# Altium PCB PexCardVer0.1.PcbDoc (part 1 of 3)
Units mil, origin at the board's own origin, x right, y up, seen from the top; angles counter-clockwise.
Board outline 5943.76 x 1774.48 mil, 4 copper layers (Top Layer, Layer 1, Layer 2, Bottom Layer), stack 62.337 mil thick; 70 components, 137 nets, 677 pads, 468 vias.
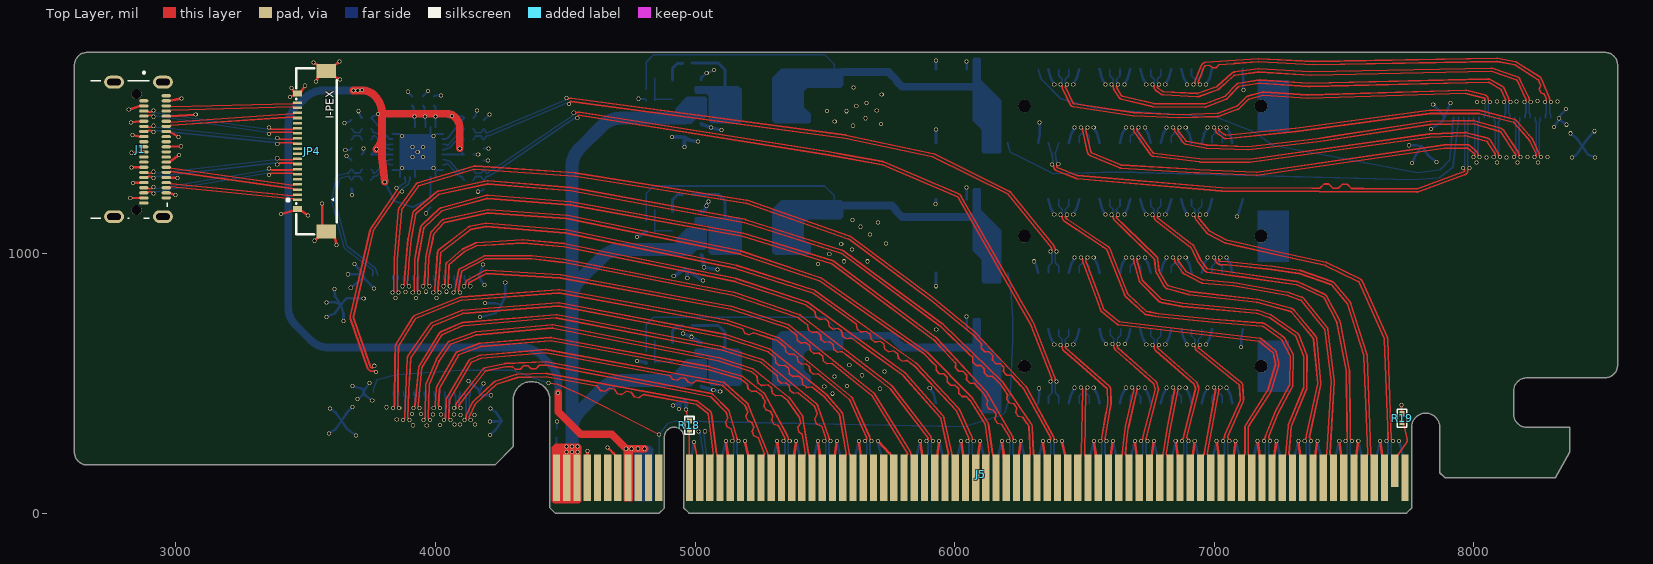
[diagram p0: Top Layer view]
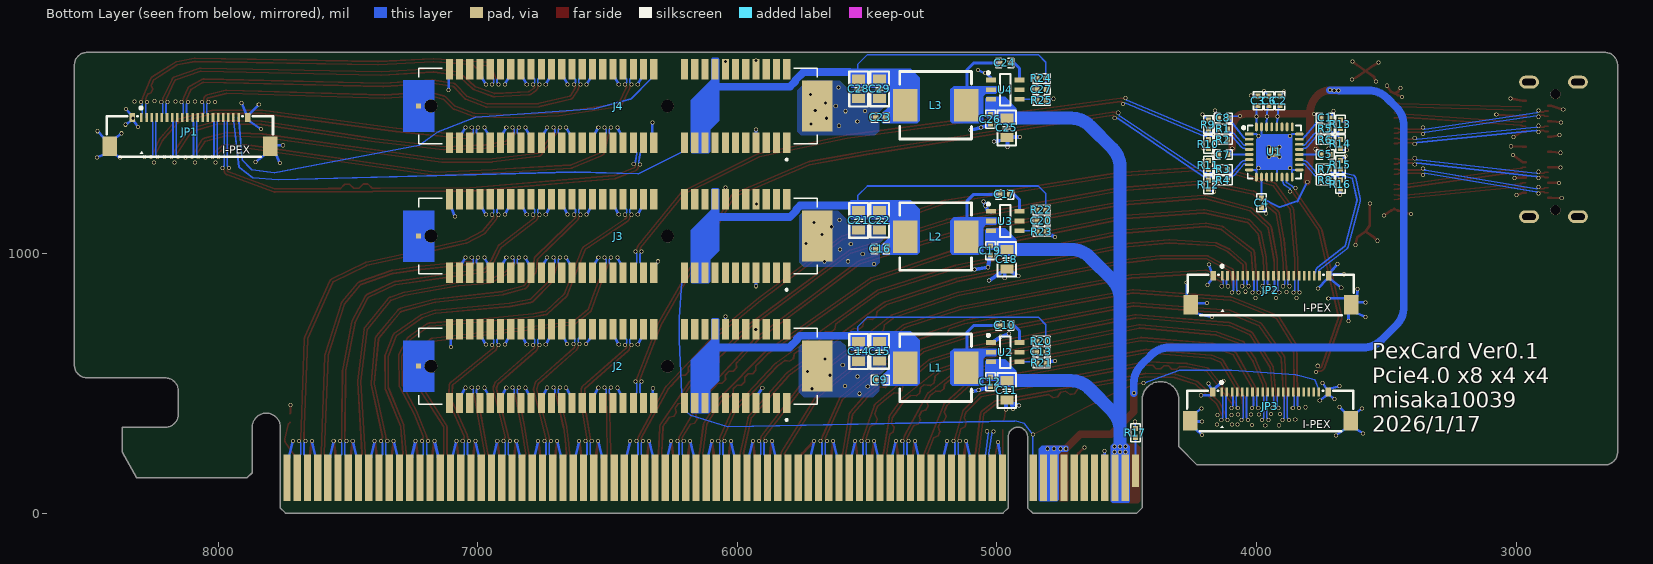
[diagram p1: Bottom Layer view, seen from below]
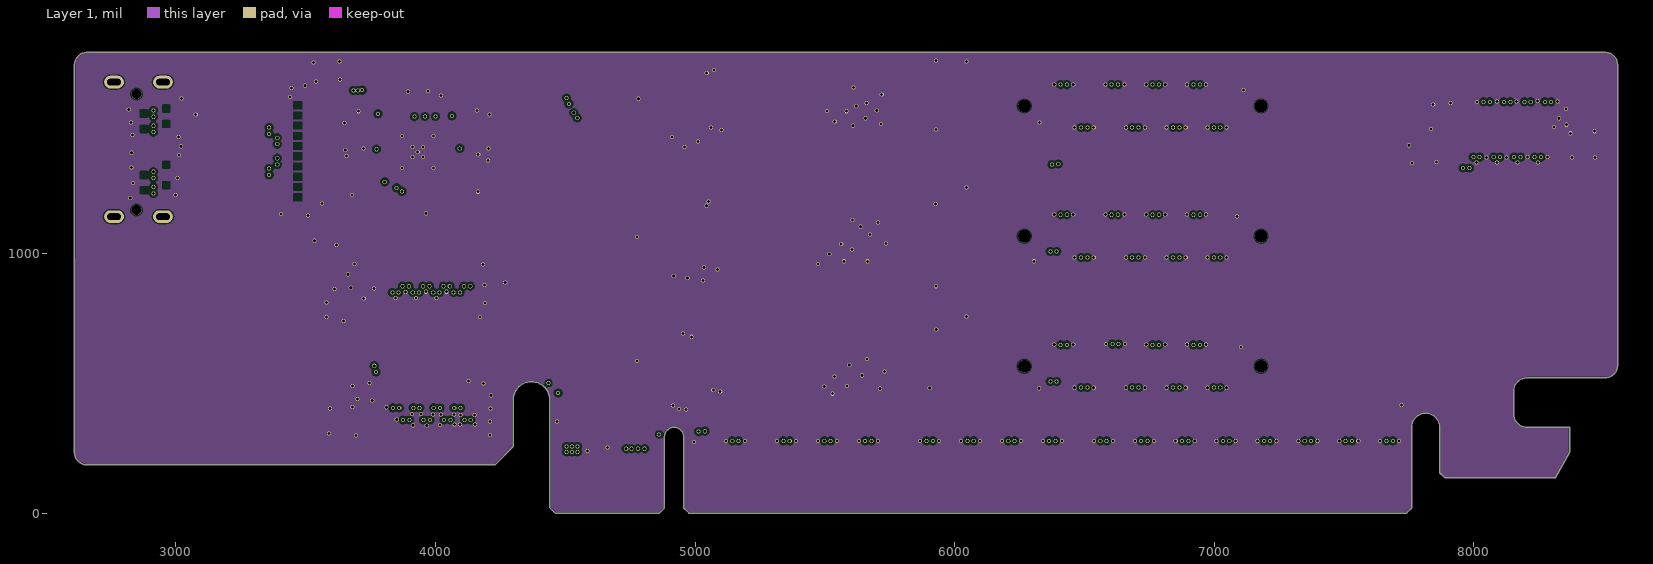
[diagram p2: Layer 1]
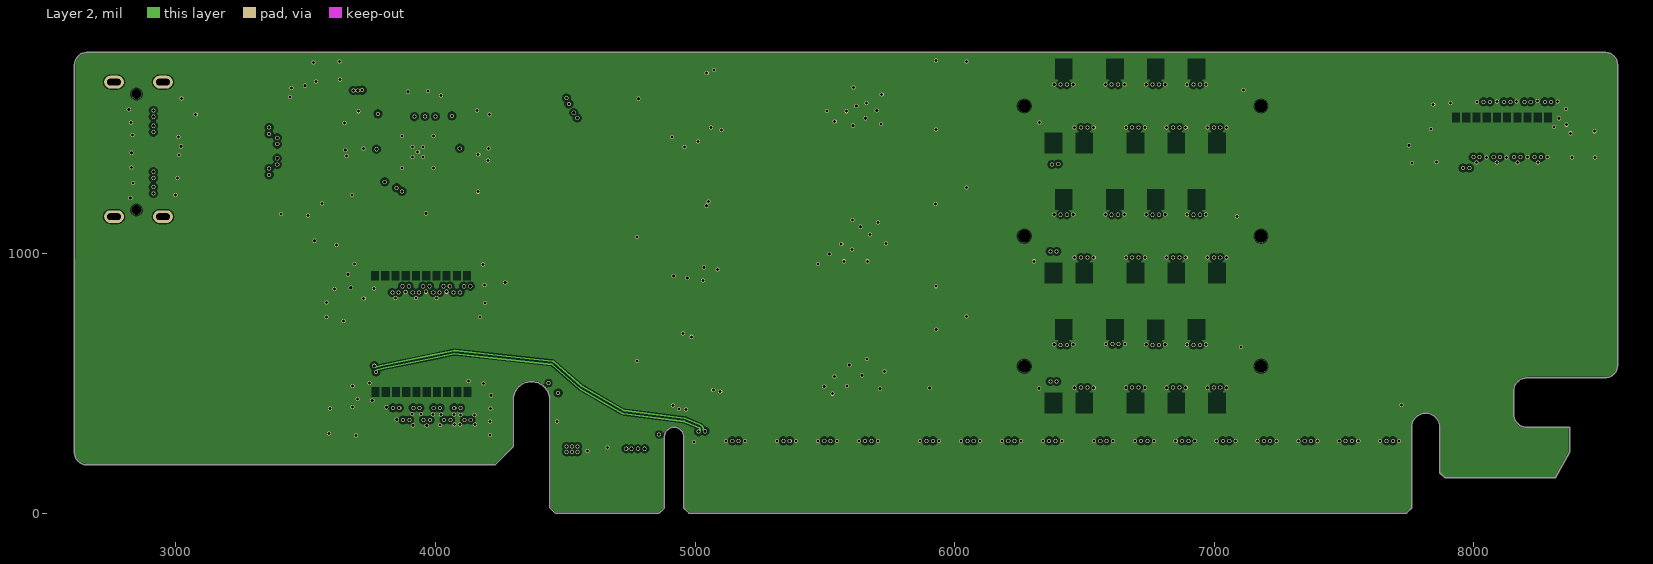
[diagram p3: Layer 2]
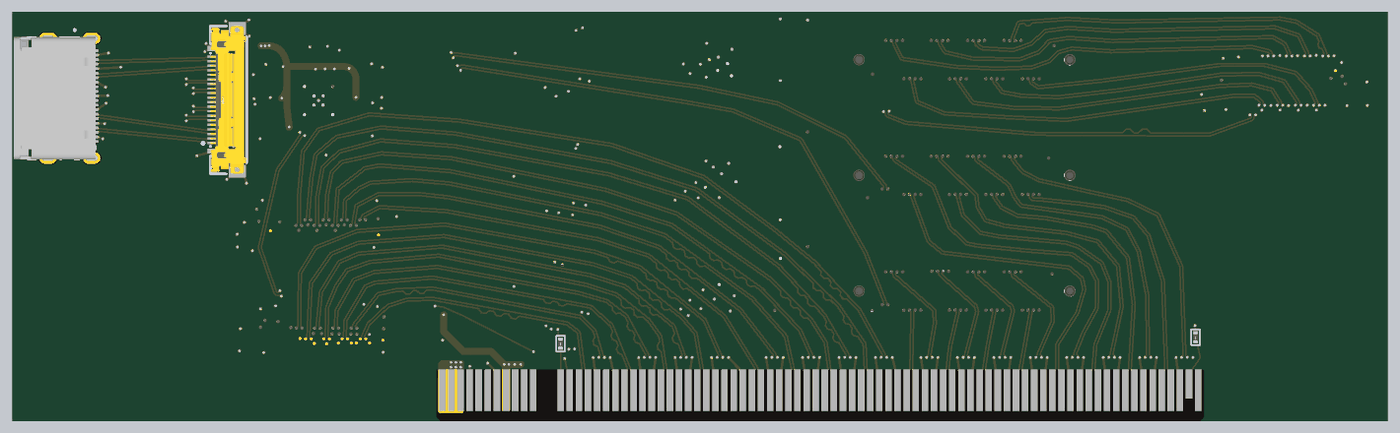
[diagram p6: 3D render of the assembled board from above, using the file's embedded part models]
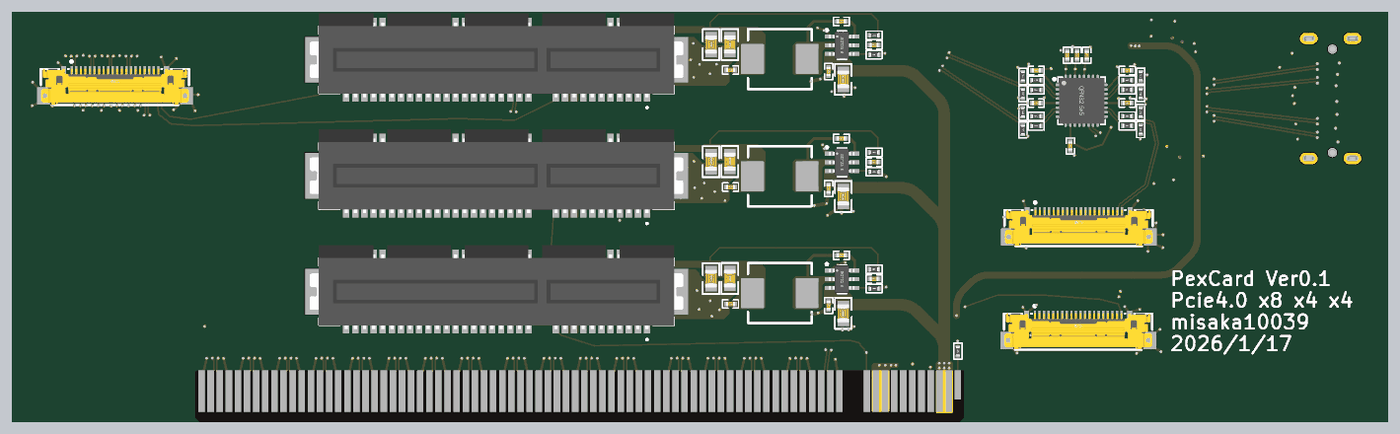
[diagram p7: 3D render of the assembled board from below, using the file's embedded part models]

## Layer stack, top to bottom
Top Solder: solder mask 0.4, Solder Resist, Dk 3.5
Top Layer: signal copper 1.4
Dielectric 2: prepreg 2.8, PP-006, Dk 4.1
Layer 1: signal copper 1.378
Dielectric 1: dielectric 51.1811, FR-4, Dk 4.8
Layer 2: signal copper 1.378
Dielectric 3: prepreg 2.8, PP-006, Dk 4.1
Bottom Layer: signal copper 1.4
Bottom Solder: solder mask 0.4, Solder Resist, Dk 3.5

## Board outline
4441.06,19.93 4460.75,0.25 4862.32,0.25 4882.01,19.93 4882.01,293.56 cw(c4919.41,293.56) 4956.81,293.56 4956.81,19.93 4976.5,0.25 7740.28,0.25 7759.96,19.93 7759.96,330.96 cw(c7814.1,330.99) 7868.23,330.99 7868.34,155.97 7888.34,135.97 8313.34,135.97 8368.34,235.97 8368.34,330.97 8203.34,330.97 cw(c8203.34,380.97) 8153.34,380.97 8153.34,470.97 cw(c8203.34,470.97) 8203.34,520.97 8503.34,520.97 ccw(c8503.34,570.97) 8553.34,570.97 8553.34,1724.73 ccw(c8503.34,1724.73) 8503.34,1774.73 2659.91,1774.73 ccw(c2659.91,1724.73) 2609.91,1724.73 2609.57,235.73 ccw(c2659.57,235.73) 2659.57,185.73 4229.58,185.73 4299.29,255.45 4299.29,434.74 cw(c4370.18,435.69) 4441.07,435.44 4441.06,330.96

## Design rules (kind name [scope] priority, off if disabled: settings)
BoardOutlineClearance [All] p1: gap=4 ignorepadtopadclearanceinfootprint=FALSE
Clearance [All] p1: gap=4 ignorepadtopadclearanceinfootprint=FALSE except(0: Arc-Text Arc-Hole Track-Text Track-Hole SMDPad-Text SMDPad-Hole THPad-Text THPad-Hole Via-Text Via-Hole Fill-Text Fill-Hole Poly-Text Poly-Hole Region-Text Region-Hole Text-Text Text-Hole; 8.66: Via-Via; 9.06: Via-Fill Via-Poly Via-Region)
ComponentClearance [All] p1: gap=0 collisioncheckmode=3 verticalgap=0 showdistances=FALSE
DiffPairsRouting "Schematic Differential Pairs Routing_2" [InNetClass('PCIE Gen4')] p1: maxlimit=6 minlimit=6 mostfreqgap=6 toplayer_minwidth=6.38 toplayer_maxwidth=6.38 toplayer_prefwidth=6.38 midlayer1_minwidth=6.38 midlayer1_maxwidth=6.38 midlayer1_prefwidth=6.38 midlayer2_minwidth=6.38 midlayer2_maxwidth=6.38 midlayer2_prefwidth=6.38 bottomlayer_minwidth=6.38 bottomlayer_maxwidth=6.38 bottomlayer_prefwidth=6.38 maxuncoupledlength=500
DiffPairsRouting [All] p2: maxlimit=10 minlimit=10 mostfreqgap=10 toplayer_minwidth=15 toplayer_maxwidth=15 toplayer_prefwidth=15 midlayer1_minwidth=15 midlayer1_maxwidth=15 midlayer1_prefwidth=15 midlayer2_minwidth=15 midlayer2_maxwidth=15 midlayer2_prefwidth=15 bottomlayer_minwidth=15 bottomlayer_maxwidth=15 bottomlayer_prefwidth=15 maxuncoupledlength=500
MinimumSolderMaskSliver [All] p1: minsoldermaskwidth=0
NetAntennae [All] p1 off: netantennaetolerance=3.94
PlaneClearance [All] p1: clearance=8
PlaneConnect [All] p1: planeconnectstyle=Direct reliefexpansion=20 reliefentries=4 reliefconductorwidth=10 reliefairgap=10
PolygonConnect [All] p1: connectstyle=Direct reliefconductorwidth=10 reliefentries=4 polygonreliefangle="90 Angle" airgapwidth=10
RoutingVias [All] p1: holewidth=11.81 width=15.75 viastyle="Through Hole" minholewidth=11.81 minwidth=15.75 maxholewidth=19.68 maxwidth=23.62
SilkToSolderMaskClearance [IsPad] p1: minsilkscreentomaskgap=0 clearancetoexposedcopper=TRUE
SolderMaskExpansion 过孔盖油 [isvia] p1: expansion=4 istentingtop=TRUE
Width [All] p1: maxlimit=100 minlimit=2 preferedwidth=10
23 further rules are at their usual default settings.

## Classes and differential pairs
net class "PCIE Gen4": GND NetJ5_B12 NVME_REFCLK_N NVME_REFCLK_P NVME_RX0_N NVME_RX0_P NVME_RX1_N NVME_RX1_P NVME_RX2_N NVME_RX2_P NVME_RX3_N NVME_RX3_P NVME_TX0_N NVME_TX0_P NVME_TX1_N NVME_TX1_P NVME_TX2_N NVME_TX2_P NVME_TX3_N NVME_TX3_P PER0_N PER0_P PER1_N PER1_P PER2_N PER2_P PER3_N PER3_P PET0_N PET0_P PET1_N PET1_P PET2_N PET2_P PET3_N PET3_P REFCLK_1_cap_N REFCLK_1_cap_P REFCLK_1_N REFCLK_1_P REFCLK_2_cap_N REFCLK_2_cap_P REFCLK_2_N REFCLK_2_P REFCLK_3_cap_N REFCLK_3_cap_P REFCLK_3_N REFCLK_3_P REFCLK_4_cap_N REFCLK_4_cap_P REFCLK_4_N REFCLK_4_P REFCLK_N REFCLK_P RX0_N RX0_P RX1_N RX1_P RX2_N RX2_P RX3_N RX3_P RX4_N RX4_P RX5_N RX5_P RX6_N RX6_P RX7_N RX7_P RX8_N RX8_P RX9_N RX9_P RX10_N RX10_P RX11_N RX11_P RX12_N RX12_P RX13_N RX13_P RX14_N RX14_P RX15_N RX15_P TX0_N TX0_P TX1_N TX1_P TX2_N TX2_P TX3_N TX3_P TX4_N TX4_P TX5_N TX5_P TX6_N TX6_P TX7_N TX7_P TX8_N TX8_P TX9_N TX9_P TX10_N TX10_P TX11_N TX11_P TX12_N TX12_P TX13_N TX13_P TX14_N TX14_P TX15_N TX15_P
net class PWR: VCC3.3V-A VCC3.3V-B VCC3.3V-C VCC12V
component class PWR: C9 C10 C11 C12 C13 C14 C15 C16 C17 C18 C19 C20 C21 C22 C23 C24 C25 C26 C27 C28 C29 L1 L2 L3 R20 R21 R22 R23 R24 R25 U2 U3 U4
component class main: C1 C2 C3 C4 C5 C6 C7 C8 J1 J2 J3 J4 J5 JP1 JP2 JP3 JP4 R1 R2 R3 R4 R5 R6 R7 R8 R9 R10 R11 R12 R13 R14 R15 R16 R17 R18 R19 U1
differential pair PER2: +PER2_P -PER2_N
differential pair PER1: +PER1_P -PER1_N
differential pair PET2: +PET2_P -PET2_N
differential pair PET3: +PET3_P -PET3_N
differential pair PET1: +PET1_P -PET1_N
differential pair PET0: +PET0_P -PET0_N
differential pair PER3: +PER3_P -PER3_N
differential pair PER0: +PER0_P -PER0_N
differential pair REFCLK_4: +REFCLK_4_P -REFCLK_4_N
differential pair REFCLK_3: +REFCLK_3_P -REFCLK_3_N
differential pair REFCLK_2: +REFCLK_2_P -REFCLK_2_N
differential pair REFCLK_1: +REFCLK_1_P -REFCLK_1_N
differential pair NVME_TX3: +NVME_TX3_P -NVME_TX3_N
differential pair NVME_TX2: +NVME_TX2_P -NVME_TX2_N
differential pair NVME_TX1: +NVME_TX1_P -NVME_TX1_N
differential pair NVME_TX0: +NVME_TX0_P -NVME_TX0_N
differential pair NVME_RX3: +NVME_RX3_P -NVME_RX3_N
differential pair NVME_RX2: +NVME_RX2_P -NVME_RX2_N
differential pair NVME_RX1: +NVME_RX1_P -NVME_RX1_N
differential pair NVME_RX0: +NVME_RX0_P -NVME_RX0_N
differential pair NVME_REFCLK: +NVME_REFCLK_P -NVME_REFCLK_N
differential pair TX15: +TX15_P -TX15_N
differential pair TX14: +TX14_P -TX14_N
differential pair TX13: +TX13_P -TX13_N
differential pair TX12: +TX12_P -TX12_N
differential pair TX11: +TX11_P -TX11_N
differential pair TX10: +TX10_P -TX10_N
differential pair TX9: +TX9_P -TX9_N
differential pair TX8: +TX8_P -TX8_N
differential pair TX7: +TX7_P -TX7_N
differential pair TX6: +TX6_P -TX6_N
differential pair TX5: +TX5_P -TX5_N
differential pair TX4: +TX4_P -TX4_N
differential pair TX3: +TX3_P -TX3_N
differential pair TX2: +TX2_P -TX2_N
differential pair TX1: +TX1_P -TX1_N
differential pair TX0: +TX0_P -TX0_N
differential pair RX15: +RX15_P -RX15_N
differential pair RX14: +RX14_P -RX14_N
differential pair RX13: +RX13_P -RX13_N
differential pair RX12: +RX12_P -RX12_N
differential pair RX11: +RX11_P -RX11_N
differential pair RX10: +RX10_P -RX10_N
differential pair RX9: +RX9_P -RX9_N
differential pair RX8: +RX8_P -RX8_N
differential pair RX7: +RX7_P -RX7_N
differential pair RX6: +RX6_P -RX6_N
differential pair RX5: +RX5_P -RX5_N
differential pair RX4: +RX4_P -RX4_N
differential pair RX3: +RX3_P -RX3_N
differential pair RX2: +RX2_P -RX2_N
differential pair RX1: +RX1_P -RX1_N
differential pair RX0: +RX0_P -RX0_N
differential pair REFCLK: +REFCLK_P -REFCLK_N
differential pair REFCLK_4_cap: +REFCLK_4_cap_P -REFCLK_4_cap_N
differential pair REFCLK_3_cap: +REFCLK_3_cap_P -REFCLK_3_cap_N
differential pair REFCLK_2_cap: +REFCLK_2_cap_P -REFCLK_2_cap_N
differential pair REFCLK_1_cap: +REFCLK_1_cap_P -REFCLK_1_cap_N

## Components (designator, comment, footprint, x,y, rotation, side; value= is the part's Value field where it differs from the comment)
C1 "100nF 6.3V" C0402_L 3735.28,1522 r0 bottom
C2 "100nF 6.3V" C0402_L 3910,1587.72 r270 bottom
C3 "100nF 6.3V" C0402_L 3994,1587.72 r270 bottom
C4 "100nF 6.3V" C0402_L 3981,1195.28 r90 bottom
C5 "100nF 6.3V" C0402_L 3735.28,1381.6 r0 bottom
C6 "100nF 6.3V" C0402_L 3952,1587.72 r270 bottom
C7 "100nF 6.3V" C0402_L 4128.39,1381 r180 bottom
C8 "100nF 6.3V" C0402_L 4128.39,1522 r180 bottom
C9 "100nF 50V" C0402_L 5449,513 r0 bottom
C10 "100nF 50V" C0402_L 4970,723 r0 bottom
C11 "22uF 25V" C0805_L 4962,472.6 r90 bottom
C12 "100nF 50V" C0402_L 5025,506.28 r90 bottom
C13 "56PF 50V" C0402_L 4828.62,621 r180 bottom
C14 "47uF 6.3V" C0805_L 5533,622.6 r270 bottom
C15 "47uF 6.3V" C0805_L 5452,623 r270 bottom
C16 "100nF 50V" C0402_L 5449,1018 r0 bottom
C17 "100nF 50V" C0402_L 4970,1228 r0 bottom
C18 "22uF 25V" C0805_L 4962,977.6 r90 bottom
C19 "100nF 50V" C0402_L 5025,1011.28 r90 bottom
C20 "56PF 50V" C0402_L 4828.62,1126 r180 bottom
C21 "47uF 6.3V" C0805_L 5533,1127.6 r270 bottom
C22 "47uF 6.3V" C0805_L 5452,1128 r270 bottom
C23 "100nF 50V" C0402_L 5449,1524 r0 bottom
C24 "100nF 50V" C0402_L 4970,1734 r0 bottom
C25 "22uF 25V" C0805_L 4962,1483.6 r90 bottom
C26 "100nF 50V" C0402_L 5025,1517.28 r90 bottom
C27 "56PF 50V" C0402_L 4828.62,1632 r180 bottom
C28 "47uF 6.3V" C0805_L 5533,1633.6 r270 bottom
C29 "47uF 6.3V" C0805_L 5452,1634 r270 bottom
J1 "OCULink-4i" SFF8611_卧式 2849,1401 r270 top
J2 "Pcie Gen4 x4" "PCIe Gen4 X4 贴片" 6268.53,566 r0 bottom
J3 "Pcie Gen4 x4" "PCIe Gen4 X4 贴片" 6268.53,1067 r0 bottom
J4 "Pcie Gen4 x4" "PCIe Gen4 X4 贴片" 6268.53,1568 r0 bottom
J5 "Pcie Gen4 x16" CON_PCI-E_164_M 4466.64,136.08 r0 top
JP1 "FPC1.0-24P" CONN-SMD_20P-P0.50_I-PEX_20455-020E-02 8108,1468 r180 bottom
JP2 "FPC1.0-24P" CONN-SMD_20P-P0.50_I-PEX_20455-020E-02 3944.89,858.5 r180 bottom
JP3 "FPC1.0-24P" CONN-SMD_20P-P0.50_I-PEX_20455-020E-02 3947,411 r180 bottom
JP4 "FPC1.0-24P" CONN-SMD_20P-P0.50_I-PEX_20455-020E-02 3525,1394 r90 top
L1 "8.2uH" L0630贴片电感 5236,560 r0 bottom
L2 "8.2uH" L0630贴片电感 5236,1065 r0 bottom
L3 "8.2uH" L0630贴片电感 5236,1571 r0 bottom
R1 "27R 1%" r0402_l 4128.27,1480 r180 bottom
R2 "27R 1%" r0402_l 4128.27,1438 r180 bottom
R3 "27R 1%" r0402_l 4128.27,1324 r180 bottom
R4 "27R 1%" r0402_l 4128.27,1282 r180 bottom
R5 "27R 1%" r0402_l 3735.41,1480.2 r0 bottom
R6 "27R 1%" r0402_l 3735.41,1438.4 r0 bottom
R7 "27R 1%" r0402_l 3735.41,1324.8 r0 bottom
R8 "27R 1%" r0402_l 3735.41,1283 r0 bottom
R9 "43R 1%" r0402_l 4186,1496.73 r90 bottom
R10 "43R 1%" r0402_l 4186,1421.27 r270 bottom
R11 "43R 1%" r0402_l 4186,1340.73 r90 bottom
R12 "43R 1%" r0402_l 4186,1265.27 r270 bottom
R13 "43R 1%" r0402_l 3677,1497.73 r90 bottom
R14 "43R 1%" r0402_l 3677,1422.27 r270 bottom
R15 "43R 1%" r0402_l 3677,1341.73 r90 bottom
R16 "43R 1%" r0402_l 3677,1266.27 r270 bottom
R17 "4.7K 5%" r0402_l 4467,309 r270 bottom
R18 "4.7K 5%" r0402_l 4978,338 r90 top
R19 "4.7K 5%" r0402_l 7723,366 r90 top
R20 "100K 1%" R0402_L 4828.75,663 r0 bottom
R21 "22.1K 1%" R0402_L 4828.49,579 r180 bottom
R22 "100K 1%" R0402_L 4828.75,1168 r0 bottom
R23 "22.1K 1%" R0402_L 4828.49,1084 r180 bottom
R24 "100K 1%" R0402_L 4828.75,1674 r0 bottom
R25 "22.1K 1%" R0402_L 4828.49,1590 r180 bottom
U1 "LMK00334" "QFN32 5x5_N" 3932,1391 r270 bottom
U2 "TPS54302DDCR" SOT23-6L 4968,620 r270 bottom
U3 "TPS54302DDCR" SOT23-6L 4968,1125 r270 bottom
U4 "TPS54302DDCR" SOT23-6L 4968,1631 r270 bottom

## Footprints (in the part's own frame and the unit in brackets; to place one, negate y for a bottom-side part, rotate by r counter-clockwise, add the part's x,y. Pads: shape width x height; smd on the part's side, far side on the other; paste and mask are expansions set on the pad)
C0402_L [mm] "贴片MLCC电容"
  rect 0.5x0.5 smd: 1(-0.45,0) 2(0.45,0)
  silkscreen extent -0.87,-0.46 0.88,0.46, body extent -0.5,-0.25 0.5,0.25, height 0.5
C0805_L [mil] "贴片MLCC电容"
  rect 35x50 smd: 1(-37.4,0) 2(37.4,0)
  silkscreen extent -67,-36 67,36, body extent -39,-26 39,26, height 51
CON_PCI-E_164_M [mil] "PCIE X16金手指"
  rect 28x125 smd far side: A1(0,27.56)
  rect 28x180 smd far side: A2(39.37,0) A3(78.74,0) A4(118.11,0) A5(157.48,0) A6(196.85,0) A7(236.22,0) A8(275.59,0) A9(314.96,0) A10(354.33,0) A11(393.7,0) A12(511.81,0) A13(551.18,0) A14(590.55,0) A15(629.92,0) A16(669.29,0) A17(708.66,0) A18(748.03,0) A19(787.4,0) A20(826.77,0) A21(866.14,0) A22(905.51,0) A23(944.88,0) A24(984.25,0) A25(1023.62,0) A26(1062.99,0) A27(1102.36,0) A28(1141.73,0) A29(1181.1,0) A30(1220.47,0) A31(1259.84,0) A32(1299.21,0) A33(1338.58,0) A34(1377.95,0) A35(1417.32,0) A36(1456.69,0) A37(1496.06,0) A38(1535.43,0) A39(1574.8,0) A40(1614.17,0) A41(1653.54,0) A42(1692.91,0) A43(1732.28,0) A44(1771.65,0) A45(1811.02,0) A46(1850.39,0) A47(1889.76,0) A48(1929.13,0) A49(1968.5,0) A50(2007.87,0) A51(2047.24,0) A52(2086.61,0) A53(2125.98,0) A54(2165.35,0) A55(2204.72,0) A56(2244.09,0) A57(2283.46,0) A58(2322.83,0) A59(2362.2,0) A60(2401.57,0) A61(2440.94,0) A62(2480.31,0) A63(2519.68,0) A64(2559.06,0) A65(2598.43,0) A66(2637.8,0) A67(2677.17,0) A68(2716.54,0) A69(2755.91,0) A70(2795.28,0) A71(2834.65,0) A72(2874.02,0) A73(2913.39,0) A74(2952.76,0) A75(2992.13,0) A76(3031.5,0) A77(3070.87,0) A78(3110.24,0) A79(3149.61,0) A80(3188.98,0) A81(3228.35,0) A82(3267.72,0)
  rect 28x180 smd: B1(0,0) B2(39.37,0) B3(78.74,0) B4(118.11,0) B5(157.48,0) B6(196.85,0) B7(236.22,0) B8(275.59,0) B9(314.96,0) B10(354.33,0) B11(393.7,0) B12(511.81,0) B13(551.18,0) B14(590.55,0) B15(629.92,0) B16(669.29,0) B17(708.66,0) B18(748.03,0) B19(787.4,0) B20(826.77,0) B21(866.14,0) B22(905.51,0) B23(944.88,0) B24(984.25,0) B25(1023.62,0) B26(1062.99,0) B27(1102.36,0) B28(1141.73,0) B29(1181.1,0) B30(1220.47,0) B31(1259.84,0) B32(1299.21,0) B33(1338.58,0) B34(1377.95,0) B35(1417.32,0) B36(1456.69,0) B37(1496.06,0) B38(1535.43,0) B39(1574.8,0) B40(1614.17,0) B41(1653.54,0) B42(1692.91,0) B43(1732.28,0) B44(1771.65,0) B45(1811.02,0) B46(1850.39,0) B47(1889.76,0) B48(1929.13,0) B49(1968.5,0) B50(2007.87,0) B51(2047.24,0) B52(2086.61,0) B53(2125.98,0) B54(2165.35,0) B55(2204.72,0) B56(2244.09,0) B57(2283.46,0) B58(2322.83,0) B59(2362.2,0) B60(2401.57,0) B61(2440.94,0) B62(2480.31,0) B63(2519.68,0) B64(2559.06,0) B65(2598.43,0) B66(2637.8,0) B67(2677.17,0) B68(2716.54,0) B69(2755.91,0) B70(2795.28,0) B71(2834.65,0) B72(2874.02,0) B73(2913.39,0) B74(2952.76,0) B75(2992.13,0) B76(3031.5,0) B77(3070.87,0) B78(3110.24,0) B79(3149.61,0) B80(3188.98,0) B82(3267.72,0)
  rect 28x125 smd: B81(3228.35,27.56)
CONN-SMD_20P-P0.50_I-PEX_20455-020E-02 [mm]
  rect 0.25x0.9 smd: 1(-4.75,1.41) 2(-4.25,1.41) 3(-3.75,1.41) 4(-3.25,1.41) 5(-2.75,1.41) 6(-2.25,1.41) 7(-1.75,1.41) 8(-1.25,1.41) 9(-0.75,1.41) 10(-0.25,1.41) 11(0.25,1.41) 12(0.75,1.41) 13(1.25,1.41) 14(1.75,1.41) 15(2.25,1.41) 16(2.75,1.41) 17(3.25,1.41) 18(3.75,1.41) 19(4.25,1.41) 20(4.75,1.41)
  rect 0.55x0.9 smd: 21(5.65,1.41) 23(-5.65,1.41)
  rect 1.4x1.9 smd: 22(7.85,-1.41) 24(-7.85,-1.41)
  silkscreen extent -8.14,-2.43 8.12,2.48, body extent -8.13,-2.4 8.13,1.55, height 1.01
L0630贴片电感 [mm] "L0630贴片电感"
  rect 2.4x3.2 smd paste+0.051: 1(-3,0) 2(3,0)
  silkscreen extent -3.5,-3.3 3.5,3.3, body extent -3.5,-3.3 3.5,3.3, height 3.1
"PCIe Gen4 X4 贴片" [mm]
  rect 0.7x2 smd: A1(-11.65,3.6) A2(-10.65,3.6) A3(-9.65,3.6) A4(-8.65,3.6) A5(-7.65,3.6) A6(-6.65,3.6) A7(-5.65,3.6) A8(-4.65,3.6) A9(-3.65,3.6) A10(-2.65,3.6) A11(-1.65,3.6) A12(1.35,3.6) A13(2.35,3.6) A14(3.35,3.6) A15(4.35,3.6) A16(5.35,3.6) A17(6.35,3.6) A18(7.35,3.6) A19(8.35,3.6) A20(9.35,3.6) A21(10.35,3.6) A22(11.35,3.6) A23(12.35,3.6) A24(13.35,3.6) A25(14.35,3.6) A26(15.35,3.6) A27(16.35,3.6) A28(17.35,3.6) A29(18.35,3.6) A30(19.35,3.6) A31(20.35,3.6) A32(21.35,3.6) B1(-11.65,-3.6) B2(-10.65,-3.6) B3(-9.65,-3.6) B4(-8.65,-3.6) B5(-7.65,-3.6) B6(-6.65,-3.6) B7(-5.65,-3.6) B8(-4.65,-3.6) B9(-3.65,-3.6) B10(-2.65,-3.6) B11(-1.65,-3.6) B12(1.35,-3.6) B13(2.35,-3.6) B14(3.35,-3.6) B15(4.35,-3.6) B16(5.35,-3.6) B17(6.35,-3.6) B18(7.35,-3.6) B19(8.35,-3.6) B20(9.35,-3.6) B21(10.35,-3.6) B22(11.35,-3.6) B23(12.35,-3.6) B24(13.35,-3.6) B25(14.35,-3.6) B26(15.35,-3.6) B27(16.35,-3.6) B28(17.35,-3.6) B29(18.35,-3.6) B30(19.35,-3.6) B31(20.35,-3.6) B32(21.35,-3.6)
  rect 3x5 smd: SH1(-14.65,0)
  rect 0.5x0.5 smd paste-1 mask+0: SH2(24.35,0)
  round 1.25 hole 1.25 unplated: ""(0,0) ""(23.15,0)
  Top Layer region: 25.85,-2.5 22.85,-2.5 22.85,-0.625 23.15,-0.625 23.215,-0.622 23.28,-0.611 23.343,-0.594 23.404,-0.571 23.462,-0.541 23.517,-0.506 23.568,-0.464 23.614,-0.418 23.656,-0.367 23.691,-0.312 23.721,-0.254 23.744,-0.193 23.761,-0.13 23.772,-0.065 23.775,0 23.772,0.065 23.761,0.13 23.744,0.193 23.721,0.254 23.691,0.312 23.656,0.367 23.614,0.418 23.568,0.464 23.517,0.506 23.462,0.541 23.404,0.571 23.343,0.594 23.28,0.611 23.215,0.622 23.15,0.625 22.85,0.625 22.85,2.5 25.85,2.5
  silkscreen extent -14.65,-3.7 24.35,5.35, body extent -15.65,-5.1 25.35,4.1, height 11.1
"QFN32 5x5_N" [mm] "32脚，长x宽x高：5x5x0.95mm，脚距：0.5mm"
  rect 0.275x0.85 smd: 1(-1.751,-2.451)
  oval 0.275x0.85 smd: 2(-1.25,-2.451) 3(-0.75,-2.451) 4(-0.25,-2.451) 5(0.25,-2.451) 6(0.75,-2.451) 7(1.25,-2.451) 8(1.75,-2.451) 17(1.75,2.451) 18(1.25,2.451) 19(0.75,2.451) 20(0.25,2.451) 21(-0.25,2.451) 22(-0.75,2.451) 23(-1.25,2.451) 24(-1.75,2.451)
  oval 0.85x0.275 smd: 9(2.451,-1.75) 10(2.451,-1.25) 11(2.451,-0.75) 12(2.451,-0.25) 13(2.451,0.25) 14(2.451,0.75) 15(2.451,1.25) 16(2.451,1.75) 25(-2.451,1.75) 26(-2.451,1.25) 27(-2.451,0.75) 28(-2.451,0.25) 29(-2.451,-0.25) 30(-2.451,-0.75) 31(-2.451,-1.25) 32(-2.451,-1.75)
  rect 1x1 smd: 33(0,0)
  Top Layer region: -1.75,1.75 1.75,1.75 1.75,-1.75 -1.25,-1.75 -1.75,-1.25
  silkscreen extent -2.6,-3.13 2.6,2.6, body extent -2.5,-2.5 2.5,2.5, height 0.93
r0402_l [mm] "1/16W贴片电阻"
  rect 0.5x0.5 smd: 1(-0.425,0) 2(0.425,0)
  silkscreen extent -0.88,-0.46 0.87,0.46, body extent -0.5,-0.25 0.5,0.25, height 0.3
R0402_L [mm] "1/16W贴片电阻"
  rect 0.5x0.5 smd: 1(-0.425,0) 2(0.425,0)
  silkscreen extent -0.88,-0.46 0.87,0.46, body extent -0.5,-0.25 0.5,0.25, height 0.3
SFF8611_卧式 [mm]
  oval 0.31x0.91 smd mask+0: A1(-4.75,0.72) A2(-4.25,0.72) A3(-3.75,0.72) A4(-3.25,0.72) A5(-2.75,0.72) A6(-2.25,0.72) A7(-1.75,0.72) A8(-1.25,0.72) A9(-0.75,0.72) A10(-0.25,0.72) A11(0.25,0.72) A12(0.75,0.72) A13(1.25,0.72) A14(1.75,0.72) A15(2.25,0.72) A16(2.75,0.72) A17(3.25,0.72) A18(3.75,0.72) A19(4.25,0.72) A20(4.75,0.72) A21(5.25,0.72) B1(-5.25,2.91) B2(-4.75,2.91) B3(-4.25,2.91) B4(-3.75,2.91) B5(-3.25,2.91) B6(-2.75,2.91) B7(-2.25,2.91) B8(-1.75,2.91) B9(-1.25,2.91) B10(-0.75,2.91) B11(-0.25,2.91) B12(0.25,2.91) B13(0.75,2.91) B14(1.25,2.91) B15(1.75,2.91) B16(2.25,2.91) B17(2.75,2.91) B18(3.25,2.91) B19(3.75,2.91) B20(4.25,2.91) B21(4.75,2.91)
  oval 1.25x1.95 hole 0.65 slot 1.35 at 90 deg mask+0.102: SH1(-6.58,2.59) SH2(6.58,2.59) SH3(-6.58,-2.2) SH4(6.58,-2.2)
  round 1 hole 1 unplated mask+0.102: ""(-5.41,0) ""(5.94,0)
  silkscreen extent -7.6,-4.46 6.73,3.03, body extent -6.73,-5.98 6.73,3.09, height 3.92
SOT23-6L [mm] "3x1.6x1.1mm(长宽高)"
  rect 0.45x1 smd: 1(-0.95,-1.397) 2(0,-1.397) 3(0.95,-1.397) 4(0.95,1.397) 5(0,1.397) 6(-0.95,1.397)
  silkscreen extent -1.77,-1.78 1.55,0.51, body extent -1.5,-1.4 1.5,1.4, height 1.15

## Part data
C1 C2 C3 C4 C5 C6 C7 C8: library part C, "贴片电容/MLCC电容", BOM名称=无极性贴片电容, 当前库版本V2022.12.25 @淘宝卖家:黄晶宝石=最新版本发布https://shop463601444.taobao.com
C9 C10 C11 C12 C13 C14 C15 C16 C17 C18 C19 C20 C21 C22 C23 C24 C25 C26 C27 C28 C29: library part C, "无极性贴片电容", BOM名称=无极性贴片电容, 学习资源=www.ooocke.com, 材质=X7R, 版权归属=源创客
JP1 JP2 JP3 JP4: library part FPC-24P, "FPC连接器", BOM名称=FPC连接器, 学习资源=www.ooocke.com, 版权归属=源创客
L1 L2 L3: library part L, "小功率贴片电感", BOM名称=小功率贴片电感, 学习资源=www.ooocke.com, 版权归属=源创客
R1 R2 R3 R4 R5 R6 R7 R8 R9 R10 R11 R12 R13 R14 R15 R16 R17 R18 R19: library part R, BOM名称=贴片电阻, 联系下单店铺卖家 免费帮你查找封装="联系下单店铺卖家 免费技术支持"
R20 R21 R22 R23 R24 R25: library part R, "贴片电阻", BOM名称=贴片电阻, 学习资源=www.ooocke.com, 版权归属=源创客
U2 U3 U4: library part TPS54202DDCR, "DCDC Convert"
J5: _=3, Add into BOM=no, Convert to PCB=yes, Device="Gold Finger CEMx16", Symbol="Gold Finger CEMx16"

## Via types
v1: diameter 15.75, hole 11.81, Top Layer to Bottom Layer, tented both sides, 468 vias
